# Altium PCB BDCMC_PCB.PcbDoc (part 2 of 2)
Units mil, origin at the board's own origin, x right, y up, seen from the top; angles counter-clockwise.
Board outline 3500 x 2000 mil, 4 copper layers (Top Layer, Mid Layer 1, Mid Layer 2, Bottom Layer), stack 78.937 mil thick; 114 components, 60 nets, 403 pads, 677 vias.
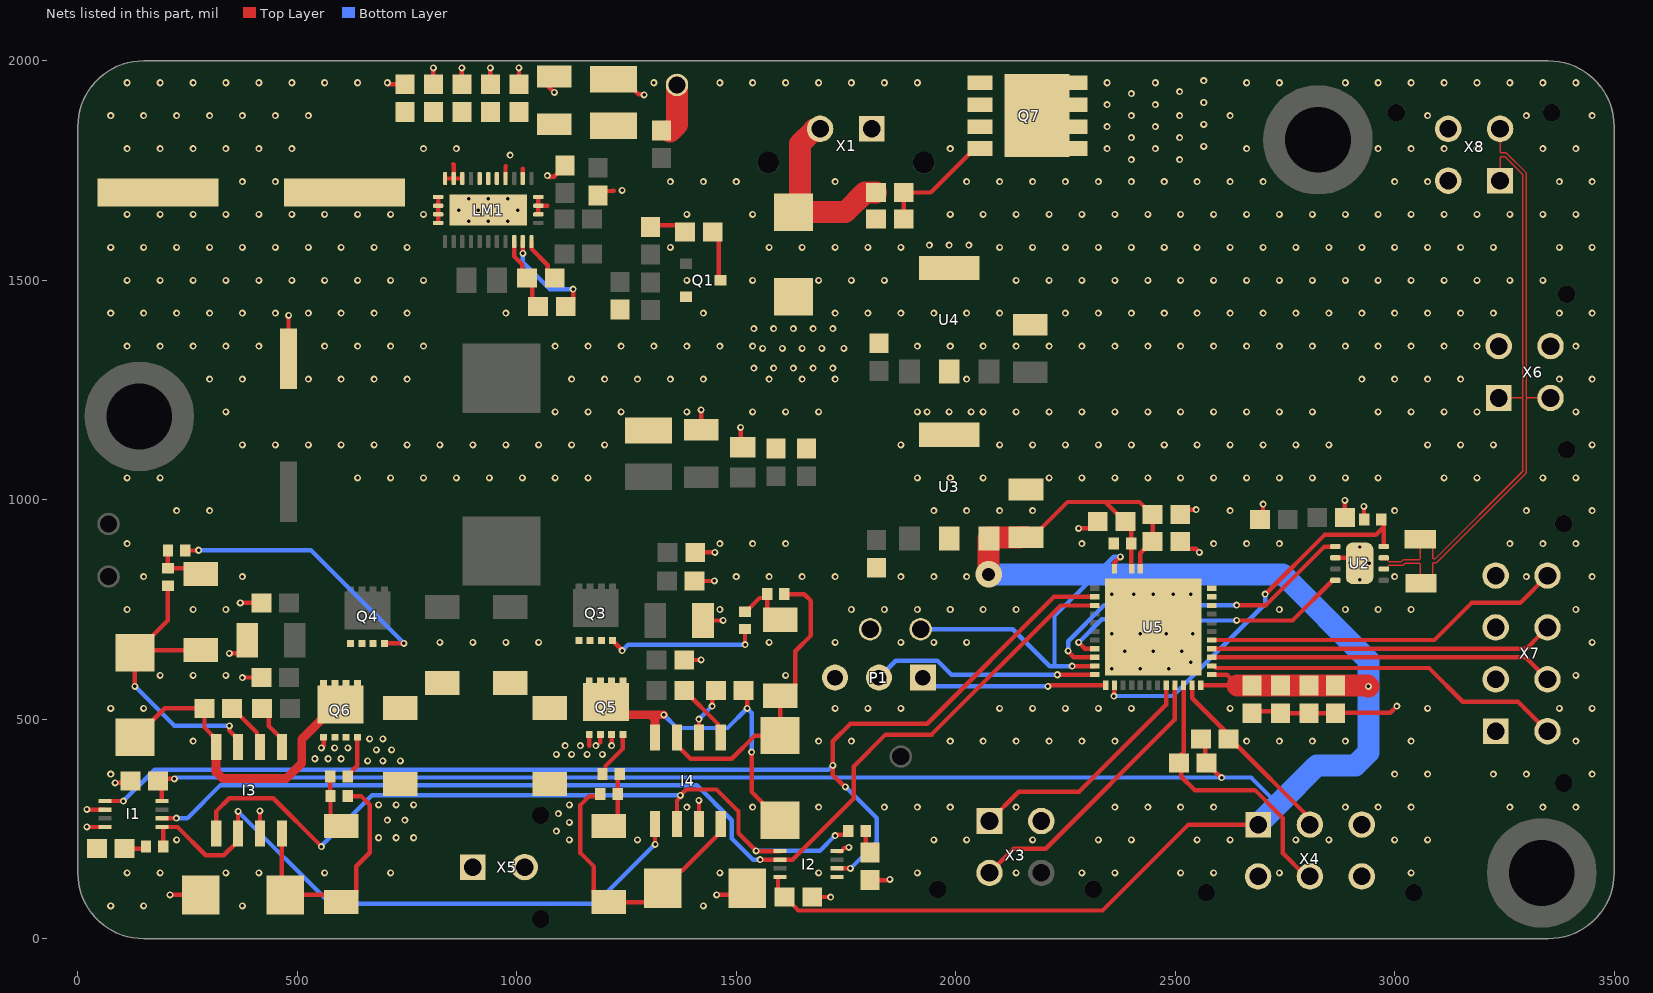
[diagram p4: the nets of this part, all layers, seen from the top]

## Via types
v1: diameter 16, hole 8, Top Layer to Bottom Layer, 661 vias
v2: diameter 11.81, hole 7.87, Top Layer to Bottom Layer, 14 vias
v3: diameter 60, hole 30, Top Layer to Bottom Layer, 2 vias

## Nets (pads, with @x,y where several pads share a name; then routed paths per layer and width w, separated by ;. In a path a pad name is that pad's centre, name@x,y a point inside that pad or via, vN(x,y) a via of type N, cw(c..) or ccw(c..) an arc to the next point about the centre after c; other vN are vias at no path point) (continued)
CAN_N: R28.1 U2.6 X6.P$3 X8.P$3 | length 1364.6
  Top Layer w3.45: U2.6@2975.12,842.2 2980.36,842.2 2984.45,846.29 2984.45,848.23 2986.99,850.78 3018.61,850.78 3023.26,855.43 3056.29,855.43 3058.31,853.41 3058.31,811.49 R28.1@3060,809.8 3067.87,809.8 3086.82,828.75 3086.82,854.6 3088.84,856.62 3095.19,856.62 3300.17,1061.6 3300.17,1229.86 3302.19,1231.88 ; X8.P$3@3240,1845 3240,1792.19 3242.02,1790.17 3254.31,1790.17 3300.17,1744.31 3300.17,1233.9 3302.19,1231.88 ; X6.P$3@3355,1231.88 3302.19,1231.88
CAN_P: R28. U2.7 X6.P$1 X8.P$1 | length 1336.6
  Top Layer w3.45: U2.7@2975.12,867.8 2980.36,867.8 2984.45,863.71 2984.45,861.77 2986.99,859.22 3015.11,859.22 3019.76,863.87 3056.29,863.87 3058.31,865.89 R28.@3058.31,910.2 3067.87,910.2 3086.82,891.25 3086.82,867.09 3088.84,865.07 3091.69,865.07 3291.72,1065.1 3291.72,1229.86 3289.7,1231.88 ; X6.P$1@3236.89,1231.88 3289.7,1231.88 ; X8.P$1@3240,1726.89 3240,1779.7 3242.02,1781.72 3250.81,1781.72 3291.72,1740.81 3291.72,1233.9 3289.7,1231.88
CAN_STB: R27.2 U2.8 U5.38 | length 855.4
  Top Layer w10: v1(2360,552.91) 2360.71,553.62 2360.71,576.42 U5.38@2361.42,577.13 ; v1(2705,785) 2840,920 2956.65,920 2974.68,938.03 2974.68,940 ; 2974.68,935 2974.9,934.78 2974.9,893.6 U2.8@2975.12,893.39
  Bottom Layer w10: v1(2360,552.91) 2494.56,552.91 2705,763.35 v1(2705,785)
DEBUG_LED_0: U5.9
DEBUG_LED_1: U5.10
DEBUG_LED_2: U5.11
DIR_1_In: I2.5 I3.5 I4.6 R16.1 | length 1847.8
  Top Layer w10: I3.5@315,222.28 I3.5@315,240 315,290 345,320 445,320 v1(555,210) ; I4.6@1365,261.57 1365,315 v1@1374.79,324.79 ; v1(1372.84,326.74) 1386.11,340 1455,340 1505,290 1505,240 1545.32,199.69 I2.5@1600,199.69 ; v1(1725,235) 1726.62,235 1728.5,236.88 1748.5,236.88 1755.32,243.69 R16.1@1755.32,245
  Bottom Layer w10: v1@555.34,211.96 670.11,326.74 v1(1372.84,326.74) ; v1(1545,200) 1690,200 v1(1725,235)
DIR_2_In: I1.5 I3.6 I4.5 R15.1 | length 1460
  Top Layer w10: I1.5@191.5,254.63 194.61,254.63 194.69,254.55 R15.1@194.69,210 ; I1.5@200,254.39 227.01,254.39 291.41,190 332.72,190 365,222.28 I3.6@365,240 v1(365,290) ; v1(1315,215) I4.5@1315,261.57
  Bottom Layer w10: v1(365,290) 575,80 1180,80 v1(1315,215)
FDCAN_RX: U2.4 U5.33 | length 688.9
  Top Layer w10: v1(2280,675) 2294.21,660.79 U5.33@2317.13,660.79 ; v1(2640,725) 2767.36,725 2858.98,816.61 U2.4@2864.88,816.61
  Bottom Layer w10: v1(2280,675) 2332.88,727.88 2543.36,727.88 2546.24,725 v1(2640,725)
FDCAN_TX: U2.1 U5.34 | length 788.5
  Top Layer w10: v1(2255.81,655.81) 2255.81,654.19 2268.9,641.1 U5.34@2317.13,641.1 ; v1(2640,760) 2706.81,760 2840.2,893.39 U2.1@2864.88,893.39
  Bottom Layer w10: v1(2255.81,655.81) 2256.15,656.15 2256.15,677.8 2338.35,760 v1(2640,760)
GND: C1.2 C2.2 C3.2 C4.2 C5.2 C6.2 C7.2 C8.2 C10.2 C12.2 C13.2 C14.2 C15.2 C16.2 C17.2 C18.2 C19.2 C20.2 C42.2 C43.1 C44.2 C45.2 C46.2 C47.2 C50.2 C51.2 C52.2 C53.2 C54.2 C55.2 C56.2 C57.2 C58.2 C59.2 C60.2 C61.2 C62.2 C63.2 D3.2 D4.2 D7.1 D8.1 D11.1 D14.1 D17.2 I1.2 I1.4 I2.1 I2.4 I3.7 I4.7 LM1.13 LM1.14 LM1.15 LM1.17 LM1.19 LM1.24 LM1.25 LM1.26 LM1.27 LM1.28 LM1.29 LM1.30 LM1.31 P1.3 Q1.2 Q5.2 Q6.2 Q7.3 R2.2 R7.2 R27.1 R32.1 TP2.1 U2.2 U2.9 U3.2 U4.2 U5.49 X3.P$2 X4.P$3 X4.P$4 X4.P$6 X6.P$2 X6.P$4 X7.P$1 X7.P$2 X7.P$3 X7.P$4 X8.P$2 X8.P$4 | length 2546.5
  Top Layer w4: R32.1@1816.5,1637.99 R32.1@1818.5,1640
  Top Layer w10: v1@20,295 v1(20.5,294.5) 21,294 I1.2@61.57,294 I1.2@61.81,293.76 ; v1(20.37,254.63) I1.4@61.57,254.63 ; v1(85,355) 116,355 C42.2@120,359 ; v1(210,100) D7.1@279.88,100 D7.1@242.36,137.52 ; v1(345,650) 366.26,650 385.87,669.61 C47.2@385.87,680 ; v1(370,765) C19.2@418.5,765 ; v1(375,595) C44.2@418.5,595 ; I3.7@415,240 v1(415,291.16) ; C12.2@480,1321.57 v1(480,1420) ; v1@560,440 Q6.2@560,459 ; D11.1@705,374.94 727.56,352.39 D11.1@735,352.39 ; v1(705,1950) 706.62,1950 710.13,1946.5 C4.2@745,1946.5 ; C6.2@810,1946.5 v1(810,1984.13) ; LM1.30@820.83,1630.47 LM1.29@820.83,1650.16 LM1.28@820.83,1669.84 LM1.27@820.83,1689.53 ; LM1.26@836.57,1731.85 LM1.25@856.26,1731.85 ; 855,1765 856.26,1763.74 LM1.25@856.26,1731.85 ; C8.2@875,1946.5 v1(875,1984.13) ; LM1.24@875.94,1731.85 LM1.25@856.26,1731.85 ; C7.2@940,1946.5 v1(940,1984.13) ; LM1.19@974.37,1731.85 974.37,1759.37 975,1760 ; C5.2@1005,1946.5 v1(1005,1984.13) ; 1013.65,1753.88 1013.7,1753.84 LM1.17@1013.7,1741.61 ; LM1.13@1049.17,1650.16 LM1.14@1049.17,1669.84 ; LM1.15@1049.17,1689.53 LM1.14@1049.17,1669.84 ; C3.2@1066.78,1946.5 v1(1085.41,1927.87) ; 1070,1670 1069.92,1669.92 1049.25,1669.92 LM1.14@1049.17,1669.84 ; D14.1@1075,352.39 1077.44,352.39 D14.1@1100,374.94 ; v1@1075,1735 1076.15,1736.15 1085.64,1736.15 1110,1760.51 R7.2@1110,1761.5 ; 1165,440 Q5.2@1165,465 ; R2.2@1180,1703.5 1216.88,1703.5 1217.23,1703.85 1221.15,1703.85 ; 1190.51,447.19 1190.59,447.27 Q5.2@1190.59,465 ; v1(1216.18,439.91) Q5.2@1216.18,465 ; C2.2@1220,1957.8 1243.43,1957.8 1277.44,1923.78 1289.11,1923.78 v1(1290.26,1922.63) ; C45.2@1381.5,635 v1(1420,635) ; C20.2@1405,815 v1(1450,815) ; C17.2@1406.5,880 v1(1451.5,880) ; I4.7@1415,261.57 v1(1415,315) ; C14.2@1420,1159.13 v1(1420,1205) ; C46.2@1424.13,725 v1(1470,725) ; v1(1455,100) 1510.12,100 D8.1@1525.12,115 ; v1(1510,1165) 1510,1124.65 C15.2@1515,1119.65 C15.2@1515.35,1120 ; D17.2@1597.2,1495 D17.2@1630,1462.2 ; C43.1@1672.99,95 v1(1715,95) ; I2.4@1729.92,199.69 1739.61,199.69 1747.1,207.18 1755.53,207.18 v1(1756.68,208.32) ; D4.2@1805,133.5 1848.5,133.5 v1(1850,135) ; U4.2@1940,1547.22 1962.56,1524.66 U4.2@1983.74,1524.66 ; v1(2280,935) 2308.5,935 C62.2@2323.5,950 ; C61.2@2511.5,905 2528.15,888.35 2546.65,888.35 v1(2555,880) ; C60.2@2511.5,966 2523.03,977.53 v1(2547.53,977.53) ; C59.2@2680,518.5 C58.2@2735,518.5 ; C55.2@2693.5,955 2700,961.5 v1(2700,990) ; C58.2@2750,513.5 C57.2@2805,513.5 ; C57.2@2820,513.5 C56.2@2865,513.5 ; U2.2@2864.88,867.8 2894.32,867.8 2898.41,863.71 U2.9@2898.41,856.94 ; C56.2@2870,513.5 C56.2@2865,513.5 ; C54.2@2886.5,960 v1(2886.5,998.5) ; v1(2930,985) 2930.16,984.84 2930.16,955.16 R27.1@2930.32,955 ; v1(3005,530) 2990,515 2866.5,515 C56.2@2865,513.5
  other v1: 75,75 150,75 375,75 1425,75 112.5,150 187.5,150 337.5,150 412.5,150 562.5,150 712.5,150 1462.5,150 1687.5,150 1912.5,150 2137.5,150 2287.5,150 2362.5,150 2512.5,150 2587.5,150 2737.5,150 3037.5,150 225,225 1120,225 1275,225 1950,225 2025,225 2175,225 2325,225 2400,225 2550,225 2625,225 2775,225 2850,225 3000,225 3075,225 685,230 725,230 765,230 1090,245 1120,265 705,270 745,270 1095,285 1387.5,300 1537.5,300 1687.5,300 1837.5,300 1912.5,300 1987.5,300 2137.5,300 2362.5,300 2437.5,300 2512.5,300 2587.5,300 2887.5,300 2962.5,300 3037.5,300 3262.5,300 3337.5,300 3412.5,300 685,305 725,305 765,305 1120,305 75,375 3000,375 3075,375 3225,375 3300,375 3450,375 660,405 695,405 735,405 540,410 570,410 600,410 1090,420 1125,420 1160,420 1195,420 680,430 715,430 555,435 585,435 615,435 1110,440 1145,440 1180,440 262.5,450 1687.5,450 1762.5,450 1987.5,450 2062.5,450 2137.5,450 2212.5,450 2287.5,450 2362.5,450 2662.5,450 2737.5,450 2812.5,450 2887.5,450 3037.5,450 3412.5,450 665,455 695,455 75,525 150,525 1725,525 1800,525 1875,525 2100,525 2175,525 2250,525 2325,525 2400,525 2625,525 3075,525 3375,525 3450,525 187.5,600 262.5,600 337.5,600 1612.5,600 3412.5,600 2355,615 2420,615 2485,615 2535,630 2385,655 2450,655 2515,655 825,675 900,675 975,675 1050,675 1575,675 1725,675 1875,675 1950,675 2025,675 3450,675 2355,695 2420,695 2480,695 2540,695 112.5,750 262.5,750 337.5,750 1462.5,750 1762.5,750 1837.5,750 1912.5,750 1987.5,750 2062.5,750 2137.5,750 2737.5,750 2887.5,750 2962.5,750 3037.5,750 3412.5,750 2355,785 2405,785 2450,785 2495,785 2535,785 150,825 375,825 1500,825 1575,825 1650,825 1725,825 1875,825 1950,825 2025,825 3000,825 3300,825 3450,825 112.5,900 1462.5,900 1537.5,900 1612.5,900 2287.5,900 2587.5,900 2662.5,900 2737.5,900 3262.5,900 3337.5,900 3412.5,900 225,975 300,975 1950,975 2025,975 2100,975 2175,975 2625,975 3000,975 3300,975 3450,975 112.5,1050 187.5,1050 637.5,1050 712.5,1050 787.5,1050 862.5,1050 937.5,1050 1012.5,1050 1087.5,1050 1162.5,1050 1912.5,1050 1987.5,1050 2062.5,1050 2212.5,1050 2287.5,1050 2362.5,1050 2437.5,1050 2512.5,1050 2587.5,1050 2662.5,1050 2737.5,1050 2812.5,1050 2887.5,1050 2962.5,1050 3112.5,1050 3187.5,1050 3337.5,1050 3412.5,1050 375,1125 450,1125 525,1125 600,1125 675,1125 750,1125 825,1125 900,1125 975,1125 1050,1125 1125,1125 1200,1125 1875,1125 2100,1125 2175,1125 2250,1125 2325,1125 2400,1125 2475,1125 2550,1125 2625,1125 2700,1125 2775,1125 2850,1125 3075,1125 3150,1125 3225,1125 3450,1125 337.5,1200 1087.5,1200 1162.5,1200 1237.5,1200 1387.5,1200 1537.5,1200 1612.5,1200 1687.5,1200 1912.5,1200 1935,1200 1985,1200 2035,1200 2062.5,1200 2137.5,1200 2212.5,1200 2287.5,1200 2362.5,1200 2437.5,1200 2512.5,1200 2587.5,1200 2662.5,1200 2737.5,1200 2812.5,1200 2962.5,1200 3037.5,1200 3112.5,1200 3187.5,1200 3412.5,1200 300,1275 375,1275 525,1275 600,1275 675,1275 750,1275 1125,1275 1200,1275 1275,1275 1350,1275 1425,1275 1575,1275 1650,1275 1725,1275 2025,1275 2925,1275 3000,1275 3075,1275 3150,1275 3375,1275 3450,1275 1540,1300 1585,1300 1630,1300 1675,1300 1720,1300 1560,1345 1605,1345 1650,1345 1695,1345 1745,1345 112.5,1350 187.5,1350 262.5,1350 337.5,1350 412.5,1350 562.5,1350 637.5,1350 712.5,1350 787.5,1350 1087.5,1350 1162.5,1350 1237.5,1350 1312.5,1350 1387.5,1350 1462.5,1350 1537.5,1350 1912.5,1350 1987.5,1350 2062.5,1350 2137.5,1350 2212.5,1350 2287.5,1350 2362.5,1350 2437.5,1350 2512.5,1350 2587.5,1350 2662.5,1350 2737.5,1350 2812.5,1350 2887.5,1350 2962.5,1350 3037.5,1350 3112.5,1350 3187.5,1350 3412.5,1350 1540,1390 1585,1390 1630,1390 1675,1390 1720,1390 75,1425 150,1425 225,1425 300,1425 375,1425 450,1425 525,1425 600,1425 675,1425 750,1425 975,1425 1425,1425 1725,1425 1800,1425 1875,1425 1950,1425 2025,1425 2100,1425 2250,1425 2325,1425 2400,1425 2475,1425 2550,1425 2625,1425 2700,1425 2775,1425 2850,1425 2925,1425 3000,1425 3075,1425 3150,1425 3225,1425 3375,1425 3450,1425 112.5,1500 187.5,1500 262.5,1500 337.5,1500 412.5,1500 487.5,1500 562.5,1500 637.5,1500 712.5,1500 787.5,1500 1387.5,1500 1537.5,1500 1687.5,1500 1762.5,1500 1837.5,1500 2137.5,1500 2212.5,1500 2287.5,1500 2362.5,1500 2437.5,1500 2512.5,1500 2587.5,1500 2662.5,1500 2737.5,1500 2812.5,1500 2887.5,1500 2962.5,1500 3037.5,1500 3112.5,1500 3187.5,1500 3262.5,1500 3337.5,1500 75,1575 150,1575 225,1575 300,1575 375,1575 450,1575 525,1575 600,1575 675,1575 750,1575 1350,1575 1575,1575 1650,1575 1725,1575 1800,1575 1875,1575 2100,1575 2175,1575 2250,1575 2325,1575 2400,1575 2475,1575 2550,1575 2625,1575 2700,1575 2775,1575 2850,1575 2925,1575 3000,1575 3075,1575 3150,1575 3225,1575 3375,1575 3450,1575 1940,1580 1985,1580 2030,1580 112.5,1650 187.5,1650 262.5,1650 337.5,1650 412.5,1650 487.5,1650 562.5,1650 637.5,1650 712.5,1650 787.5,1650 1387.5,1650 1537.5,1650 1987.5,1650 2062.5,1650 2137.5,1650 2212.5,1650 2287.5,1650 2362.5,1650 2437.5,1650 2512.5,1650 2587.5,1650 2662.5,1650 2737.5,1650 2812.5,1650 2887.5,1650 2962.5,1650 3037.5,1650 3112.5,1650 3187.5,1650 3262.5,1650 3337.5,1650 3412.5,1650 1240,1705 375,1725 450,1725 1350,1725 1425,1725 1500,1725 1725,1725 2025,1725 2100,1725 2175,1725 2250,1725 2325,1725 2400,1725 2475,1725 2550,1725 2625,1725 2700,1725 3000,1725 3075,1725 3375,1725 3450,1725 1069.77,1738.23 2400,1775 2510,1775 985,1785 112.5,1800 187.5,1800 262.5,1800 337.5,1800 412.5,1800 487.5,1800 787.5,1800 862.5,1800 1987.5,1800 2345,1800 2455,1800 2662.5,1800 2962.5,1800 3037.5,1800 3112.5,1800 3187.5,1800 3337.5,1800 3412.5,1800 2565,1805 2400,1825 2510,1825 2345,1850 2455,1850 2565,1855 75,1875 150,1875 225,1875 300,1875 375,1875 450,1875 525,1875 2400,1875 2510,1875 2625,1875 3075,1875 3300,1875 3450,1875 2345,1900 2455,1900 2565,1905 2400,1925 2510,1930 112.5,1950 187.5,1950 262.5,1950 337.5,1950 412.5,1950 487.5,1950 562.5,1950 637.5,1950 1312.5,1950 1462.5,1950 1537.5,1950 1612.5,1950 1687.5,1950 1762.5,1950 1837.5,1950 1912.5,1950 2345,1950 2455,1950 2662.5,1950 2737.5,1950 2887.5,1950 2962.5,1950 3037.5,1950 3112.5,1950 3187.5,1950 3262.5,1950 3337.5,1950 3412.5,1950 2565,1955
  other v2: 2920,817.6 2941.65,855 2898.35,856.97 2920,892.4 890.12,1634.41 935,1634.41 979.88,1634.41 867.68,1660 912.56,1660 957.44,1660 1002.32,1660 890.12,1685.59 935,1685.59 979.88,1685.59
HO_1G: D10.2 D16.2 I3.3 R25.2 | length 712.7
  Top Layer w10: v1(130,575) D10.2@130,651.8 131.97,651.8 D10.2@137.56,657.39 ; R25.2@205,804.32 205,724.83 D10.2@137.56,657.39 ; D16.2@280,657.39 D10.2@137.56,657.39 ; v1(345,485) 345,474.57 365,454.57 I3.3@365,436.85
  Bottom Layer w10: v1(130,575) 220,485 v1(345,485)
HO_1M: Q4.1 R26.2 | length 634
  Top Layer w10: R26.2@244.69,884 245.19,884.5 274.5,884.5 v1(275,885) ; Q4.1@698.39,672.98 v1(742.98,672.98) v1@745,675
  Bottom Layer w10: v1(275,885) 530.95,885 v1(742.98,672.98)
HO_2G: D9.2 D15.2 I4.3 R23.2 | length 688.9
  Top Layer w10: I4.3@1365,458.43 1365,440.71 1395.71,410 1490,410 1542.8,462.8 D9.2@1600,462.8 ; D9.2@1590,495 1600,485 D15.2@1600,553.39 1611.81,553.39 1634.37,575.94 1634.37,655.16 1670,690.79 1670,770 1655,785 R23.2@1609.68,785
HO_2M: Q3.1 R24.2 | length 354.3
  Top Layer w10: Q3.1@1218.39,678.98 1240,657.36 v1(1240,656.18) v1@1240,655 ; v1(1520,670) R24.2@1520,705.63
  Bottom Layer w10: v1(1240,656.18) 1253.82,670 v1(1520,670)
I2C1_SCL: R30.1 U5.46 X4.P$5 | length 671.4
  Top Layer w10: R30.1@2508.5,400 R30.1@2524.86,416.35 ; R30.1@2508.98,415.48 2519.86,426.35 2519.86,571.24 2518.9,572.2 U5.46@2518.9,577.13 ; R30.1@2509.48,414.99 2509.48,400 2513.77,395.7 2513.77,369.2 2544.47,338.51 2681.49,338.51 2745,275 2745,195 2798.11,141.89 X4.P$5@2806.89,141.89
I2C1_SDA: R29.1 U5.47 X4.P$2 | length 445
  Top Layer w10: U5.47@2538.58,577.13 2538.58,547.91 2613.86,472.64 2613.86,471.65 R29.1@2630.51,455 ; R29.1@2621.5,455 R29.1@2630.51,455 ; X4.P$2@2804.71,253.32 2795.39,262.64 2795.39,285.47 2642.51,438.35 2639.13,438.35 2630.51,446.97 R29.1@2630.51,455
LIMIT_0_A: U5.2 X7.P$5 | length 826.8
  Top Layer w10: U5.2@2582.87,621.42 2587.8,621.42 2592.57,616.64 3078.36,616.64 3155,540 3280.94,540 X7.P$5@3348.11,472.83
LIMIT_0_B: U5.3 X7.P$6 | length 786
  Top Layer w10: U5.3@2582.87,641.1 3297.95,641.1 X7.P$6@3348.11,590.94
LIMIT_0_C: U5.4 X7.P$7 | length 785.8
  Top Layer w10: U5.4@2582.87,660.79 3300.79,660.79 3316.32,676.32 3316.32,677.27 X7.P$7@3348.11,709.06
LIMIT_0_D: U5.5 X7.P$8 | length 826
  Top Layer w10: U5.5@2582.87,680.47 3090.47,680.47 3175,765 3285.94,765 X7.P$8@3348.11,827.17
LO_1: D7.2 D12.2 I3.8 R21.2 | length 591.1
  Top Layer w10: I3.8@465,240 465,107.8 D7.2@472.8,100 583.39,100 D12.2@600,83.39 611.81,83.39 634.37,105.94 634.37,165.16 665,195.79 665,305 645,325 R21.2@615,325
LO_2: D8.2 D13.2 I4.8 R22.2 | length 651.3
  Top Layer w10: R22.2@1190.32,330 1185.32,325 1165.32,325 1145,304.69 1145,195 1175.63,164.37 1175.63,105.94 1198.19,83.39 D13.2@1210,83.39 1300.59,83.39 D8.2@1332.2,115 1332.2,116.97 1369.72,154.49 1375.63,154.49 1465,243.86 I4.8@1465,261.57
M+: C48.2 D5.1 D10.1 D11.2 I3.4 Q4.2 Q6.3 X5.P$1 | length 733.2
  Top Layer w10: D10.1@130,458.88 131.97,458.88 198.09,525 C48.2@288.5,525 288.5,481.06 315,454.57 I3.4@315,436.85 ; Q6.3@589.53,533.8 Q6.3@598.39,533.8
  Top Layer w20: I3.4@315,436.85 315,380 330,365 475,365 510,400 510,454.28 Q6.3@589.53,533.8
M-: C49.2 D6.1 D9.1 D14.2 I4.4 Q3.2 Q5.3 X5.P$2 | length 751.6
  Top Layer w10: Q5.3@1203.39,539.8 Q5.3@1233.19,510 ; C49.2@1516.5,565 1525,556.5 v1(1525,525) ; v1(1535,425) 1535,334.88 1560.51,309.37 1560.51,307.4 1598.03,269.88 D9.1@1600,269.88
  Top Layer w20: Q5.3@1233.19,510 1305,510 ; I4.4@1315,458.43 1315,500 1305,510 ; v1(1335,510) 1305,510
  Bottom Layer w10: v1(1335,510) 1365,480 1480,480 v1(1525,525) 1535,515 v1(1535,425)
MOTOR_0_DIR: I1.6 I2.6 U5.28 | length 2534.9
  Top Layer w10: I1.6@191.5,274.31 191.57,274.39 224.39,274.39 v1(224.7,274.7) v1@225,275 ; v1(1554.18,180) 1628.04,180 1767.49,319.45 1767.49,392.49 1840,465 1945,465 2239.21,759.21 U5.28@2317.13,759.21
  Bottom Layer w10: v1(224.7,274.7) 249.7,274.7 325,350 1410,350 1490,270 1490,228.35 1538.35,180 v1(1554.18,180)
MOTOR_0_PWM: I1.1 I2.2 U5.27 | length 2811.3
  Top Layer w10: I1.1@61.57,313.69 v1(103.69,313.69) ; I2.2@1729.92,160.31 1759.69,160.31 v1(1760,160) ; v1@1747.02,346.15 1720,373.17 1720,450 1760,490 1935,490 2223.9,778.9 U5.27@2317.13,778.9
  Bottom Layer w10: v1(103.69,313.69) 175,385 1710,385 v1(1720,395) ; v1(1748.65,346.15) 1820,274.8 1820,220 v1(1760,160)
NetC9_1: C9.1 LM1.11 | length 105.1
  Top Layer w10: LM1.11@1033.43,1588.15 1033.43,1571.57 1070.5,1534.5 1070.5,1521 C9.1@1086.5,1505
NetC9_2: C9.2 LM1.9 R3.2 | length 180.7
  Top Layer w10: LM1.9@994.06,1588.15 994.06,1554.3 1012.56,1535.8 1012.56,1510.79 1035,1488.35 R3.2@1035,1446.5 ; R3.2@1048.5,1440 R3.2@1064.13,1424.38
NetC48_1: C48.1 I3.2 | length 115
  Top Layer w10: C48.1@351.5,525 352.48,525 408.19,469.29 408.19,443.66 I3.2@415,436.85
NetC49_1: C49.1 I4.2 | length 122.5
  Top Layer w10: I4.2@1415,458.43 v1(1415,500) ; v1(1445,530) 1445,556.5 C49.1@1453.5,565
  Bottom Layer w10: v1(1415,500) v1(1445,530)
NetD1_1: D1.1 R4.2 | length 118
  Top Layer w10: R4.2@1300,1605 1300,1620.89 1295.76,1616.65 1295.76,1625 D1.1@1383.5,1625
NetD1_2: D1.2 Q1.3 | length 123.2
  Top Layer w10: D1.2@1450,1625 1460,1615 Q1.3@1460,1505.9
NetD3_1: D3.1 R15.2 | length 54.1
  Top Layer w10: D3.1@106.5,205 145.31,205 146.54,206.22 148.5,206.22 155.31,213.03 R15.2@155.31,215
NetD4_1: D4.1 R16.2 | length 52.8
  Top Layer w10: R16.2@1794.68,245 1794.68,206.81 D4.1@1805,196.5
NetD12_1: D12.1 R19.1 R21.1 | length 124.7
  Top Layer w10: R19.1@575.32,370 575.47,369.84 575.47,325.16 R21.1@575.63,325 575.63,279.17 598.19,256.61 D12.1@600,256.61
NetD13_1: D13.1 R20.2 R22.1 | length 154.2
  Top Layer w10: D13.1@1190.63,275.98 D13.1@1210,256.61 1229.68,276.3 R22.1@1229.68,330 R20.2@1229.68,375 ; R20.2@1234.53,375.16 R20.2@1234.68,375
NetD15_1: D15.1 R23.1 R24.1 | length 140.9
  Top Layer w10: R24.1@1520,745 1521.97,745 1553.19,776.22 1563.5,776.22 R23.1@1570.32,783.03 ; R23.1@1570.32,785 R23.1@1570.32,783.03 ; D15.1@1600,726.61 1592.87,726.61 1570.32,749.17 R23.1@1570.32,783.03
NetD16_1: D16.1 R25.1 R26.1 | length 120.9
  Top Layer w10: R26.1@205.31,884 205.16,883.84 205.16,843.84 R25.1@205,843.68 266.93,843.68 D16.1@280,830.61
NetI3_1: I3.1 R18.1 | length 106.8
  Top Layer w10: R18.1@420,525 435,510 435,484.57 465,454.57 I3.1@465,436.85
NetI4_1: I4.1 R17.1 | length 141.7
  Top Layer w10: R17.1@1381.5,565 1382.48,565 1458.19,489.29 1458.19,465.24 I4.1@1465,458.43
NetLM1_10: LM1.10 R3.1 | length 247.6
  Top Layer w10: LM1.10@1013.74,1588.15 v1(1013.74,1561.26) v1@1015,1560 ; R3.1@1111.5,1428.19 R3.1@1111.5,1440 1111.72,1440 1128.38,1456.65 v1(1128.38,1480)
  Bottom Layer w10: v1(1013.74,1561.26) 1013.74,1541.26 1075,1480 v1(1128.38,1480)
NetQ5_1: Q5.1 R20.1 | length 109.2
  Top Layer w10: R20.1@1195.32,375 1202.13,381.81 1202.13,393.43 1241.77,433.07 Q5.1@1241.77,465
NetQ6_1: Q6.1 R19.2 | length 98.1
  Top Layer w10: R19.2@614.68,370 614.68,371.97 636.77,394.06 Q6.1@636.77,459
NetQ7_1: Q7.1 R31.2 R32.2 | length 274.9
  Top Layer w10: R32.2@1881.5,1640 R31.2@1881.5,1700 1943.19,1700 2043.19,1800 Q7.1@2055,1800
NetQ7_2: Q7.2 X1.P$1
QUAD_0_A: U5.44 X3.P$1 | length 556.2
  Top Layer w10: X3.P$1@2076.88,268.11 2143.77,335 2280.95,335 2479.53,533.58 U5.44@2479.53,577.13
QUAD_0_B: U5.45 X3.P$3 | length 644.9
  Top Layer w10: X3.P$3@2076.88,150 2131.88,205 2205,205 2499.21,499.21 U5.45@2499.21,577.13
SWCLK: P1.1 U5.37 | length 423
  Top Layer w10: v1@2212.56,576.36 2212.77,576.15 2213.75,577.13 U5.37@2341.73,577.13
  Bottom Layer w10: P1.1@1925,595 1945,575 v1(2210,575)
SWDIO: P1.2 U5.36 | length 524.8
  Top Layer w10: v1@2229.05,599.05 2231.61,601.61 2296.61,601.61 2296.73,601.73 U5.36@2317.13,601.73
  Bottom Layer w10: P1.2@1825,595 1863.53,633.53 1958.26,633.53 1990.43,601.35 v1(2231.35,601.35)
VBAT: C1.1 C2.1 C3.1 C4.1 C5.1 C6.1 C7.1 C8.1 D17.1 LM1.20 LM1.21 LM1.22 R1.2 R31.1 TP1.1 X1.P$2 | length 541.5
  Top Layer w50: R1.2@1349.11,1839.11 1365,1855 TP1.1@1365,1945 ; X1.P$2@1690.94,1845 1688.98,1843.04 1677.45,1843.04 1645,1810.59 1645,1670.12 D17.1@1630,1655.12 1661.65,1655.12 1748.32,1655.12 1793.2,1700 R31.1@1818.5,1700
VBAT_MCU: C42.1 C43.2 C53.1 C56.1 C57.1 C58.1 C59.1 C60.1 C61.1 C62.1 C63.1 I1.8 I2.8 R29.2 R30.2 TP11.1 U3.3 U5.1 U5.20 U5.21 U5.23 U5.35 U5.48 X4.P$1 | length 7467.5
  Top Layer w10: I1.8@191.5,313.69 191.5,350.5 C42.1@182.99,359 188.07,364.08 v1(219.83,364.08) ; 1595,135 1595,110 C43.2@1610,95 1610.98,95 1641.64,64.35 2334.35,64.35 2530,260 2679.92,260 X4.P$1@2686.89,253.03 ; C53.1@2160,915 2174.76,915 2254.76,995 2340.51,995 ; v1(2265.31,620.94) 2316.64,620.94 U5.35@2317.13,621.42 ; U5.23@2361.42,842.87 2361.42,856.42 v1(2375,870) ; U5.21@2400.79,842.87 2400.24,843.43 2400.24,899.45 C63.1@2399.68,900 2399.68,936.81 C62.1@2386.5,950 2385.51,950 2340.51,995 ; U5.20@2420.47,842.87 2420.47,877.95 2447.52,905 C61.1@2448.5,905 C60.1@2448.5,966 2447.52,966 2418.52,995 2340.51,995 ; U5.48@2558.27,577.13 2639.13,577.13 ; R29.2@2568.5,455 2568.5,402.99 R30.2@2571.5,400 2572.48,400 2589.13,383.35 2589.13,382.36 v1@2600.35,371.15 ; U5.1@2582.87,601.73 2617.24,601.73 2640,578.98 ; 2645,570.51 2645,571.5
  Top Layer w50: v3@2074.61,830 2074.61,910.95 U3.3@2075.55,911.89 ; U3.3@2076.93,914.45 2145.47,914.45 2146.02,915 C53.1@2160,915 ; 2641.66,576.5 C59.1@2675,576.5 C58.1@2740,576.5 C57.1@2805,576.5 C56.1@2865,576.5 2938.5,576.5 v1(2940,575)
  Bottom Layer w10: v1(219.83,364.08) 221.45,364.08 224.61,367.23 v1(2605.91,367.23) 2672.77,367.23 2734.06,305.94 ; TP11.1@1920,705 2130,705 2214.06,620.94 2225,620.94 ; v1(2265.31,620.94) 2225,620.94 ; v1(2375,870) 2360,870 2320,830 2225,735 2225,620.94
  Bottom Layer w50: v3@2078.78,830 2320,830 2745,830 2940,635 v1(2940,575) 2940,424.29 2910.71,395 2823.11,395 2734.06,305.94 X4.P$1@2685,256.89
  other v3: 2075,830
pads on no net: I1.3 I1.7 I2.3 I2.7 LM1.7 LM1.23 U2.5 U5.6 U5.7 U5.8 U5.12 U5.13 U5.14 U5.15 U5.16 U5.17 U5.18 U5.19 U5.22 U5.24 U5.25 U5.26 U5.29 U5.30 U5.31 U5.32 U5.39 U5.40 U5.41 U5.42 U5.43 X1.1 X3.1 X4.1 X5.1 X6.1 X7.1 X8.1

## Polygon pours and split planes (outlines as drawn)
GND on Top Layer "GND_L01_P020" (solid, pour order 20): 0,5 5,10 3500,10 3500,2000 3495,2005 3490,2000 0,2000
NetQ7_2 on Top Layer "NETQ7_2_L01_P017" (solid, pour order 17): 1895,1805 1915,1825 2100,1825 2100,1980 2000,1980 1920,1900 1760,1900 1760,1805
12V_MOTOR_SW on Top Layer "12V_MOTOR_SW_L01_P015" (solid, pour order 15): 875,1195 831.67,1238.33 831.67,1571.68 831.68,1600 920,1600 920,1460 1055,1325 1055,1195
VBAT on Top Layer "VBAT_L01_P016" (solid, pour order 16): 465,1735 640,1910 1710,1910 1735,1885 1735,1840 1705.96,1810.96 990.96,1810.96 960,1780 960,1720 910,1720 910,1780 870,1820 770,1820 745,1795 745,1665 465,1665
12V_MOTOR_MAIN on Top Layer "12V_MOTOR_MAIN_L01_P003" (solid, pour order 3): 1835,1030 1835,1175 1920,1260 1920,1320 1800,1320 1720,1240 1720,1115 1690,1085 1240,1085 1145,990 645,990 540,1095 335,1095 335,910 425,820 455,790 455,505 465,495 515,495 520,500 520,609 615,704 1231,704 1285,650 1285,540 1290,535 1340,535 1350,545 1350,755 1370,775 1370,900 1410,940 1625,940 1685,880 1925,880 1925,940
M- on Top Layer "r" (solid, pour order 1): 910,241.12 954.33,196.79 954.33,112.55 970.1,94 1059,94 1095,130 1095,200 1020,275 1020,379 1124.06,483.06 1243.06,483.06 1260,500 1260,590 1233.5,616.5 1200,650 1200,690 1135,690 1135,665 1113.35,644 945,644 910,609
M+ on Top Layer "M+_L01_P000" (solid, pour order 0): 895,250 900,245 950,195 950,104 940,94 820,94 785,129 785,389 695,479 549.29,479 535,493.29 535,579 570,614 610,654 610,684 678.51,684 678.51,655.49 690,644 870,644 895,619
GND on Mid Layer 1 "GND_L02_P004" (solid, pour order 4): 0,2000 0,0 3500,0 3500,1995 3495,2000
GND on Mid Layer 2 "GND_L03_P005" (solid, pour order 5): 0,2000 0,0 3500,0 3500,1995 3495,2000
GND on Bottom Layer "GND_L04_P011" (solid, pour order 11): 0,0 0,2000 3500,2000 3505,2005 3505,0

## Silkscreen, mask and mechanical layers (free items; w line width, h text height)
Top Overlay:
  lines w10: 795,290 795,505 1020,505 1020,290 795,290 ; 1995,380 2275,380 2275,485 1995,485 1995,475 1995,380 ; 2630,1545 2630,1650 2945,1650 2945,1545 2630,1545 ; 2680,375 2980,375 2980,475 2680,475 2680,375 ; 3015,1140 3015,1455 3120,1455 3120,1140 3015,1140 ; 3055,380 3155,380 3155,780 3055,780 3055,380
  lines w40: 1467.5,1930 1542.5,1930 ; 1505,1892.5 1505,1967.5 ; 1910,1950 1985,1950
  text "VBAT" at 1363.05,1853.05 h30
  text "12V_PGD" at 1346,1651 h30
  text "GND" at 2739,1634 h30 r180
  text "CAN_L" at 2914,1634 h30 r180
  text "CAN_H" at 2914,1594 h30 r180
  text "GND" at 2739,1589 h30 r180
  text "GND" at 3059,1346 h30 r90
  text "GND" at 3104,1346 h30 r90
  text "CAN_H" at 3064,1171 h30 r90
  text "CAN_L" at 3104,1171 h30 r90
  text "GND" at 1766,761 h30
  text "3v3" at 1881,761 h30
  text "GND" at 3099,686 h30 r90
  text "L_3" at 3139,686 h30 r90
  text "GND" at 3099,586 h30 r90
  text "L_2" at 3139,586 h30 r90
  text "GND" at 1686,501 h30
  text "DIO" at 1791,501 h30
  text "CLK" at 1891,501 h30
  text "GND" at 3099,491 h30 r90
  text "L_1" at 3139,491 h30 r90
  text "QD_A" at 2021,441 h30
  text "GND" at 2176,441 h30
  text "3V3" at 2696,431 h30
  text "SDA" at 2786,431 h30
  text "GA1" at 2881,431 h30
  text "M" at 825,410 h75
  text "M" at 940,409 h75
  text "QD_B" at 2021,396 h30
  text "5V" at 2176,396 h30
  text "GND" at 2696,391 h30
  text "SCL" at 2786,391 h30
  text "GA2" at 2881,391 h30
  text "GND" at 3099,391 h30 r90
  text "L_0" at 3139,391 h30 r90
  text "+" at 825,307.5 h75
  text "-" at 940,307.51 h75
Bottom Overlay:
  drawing of 2392 lines, arcs and shapes, not listed
  text "ES" at 2130,1540 h60
  text "DA" at 1620,195 h60
  text "CY" at 2050,195 h60
  text "Brushed DC Motor Controller" at 3160,25 h60
Board Outline:
  the board outline again, w10